# Altium PCB SPG_300.PcbDoc (part 1 of 7) (continued)
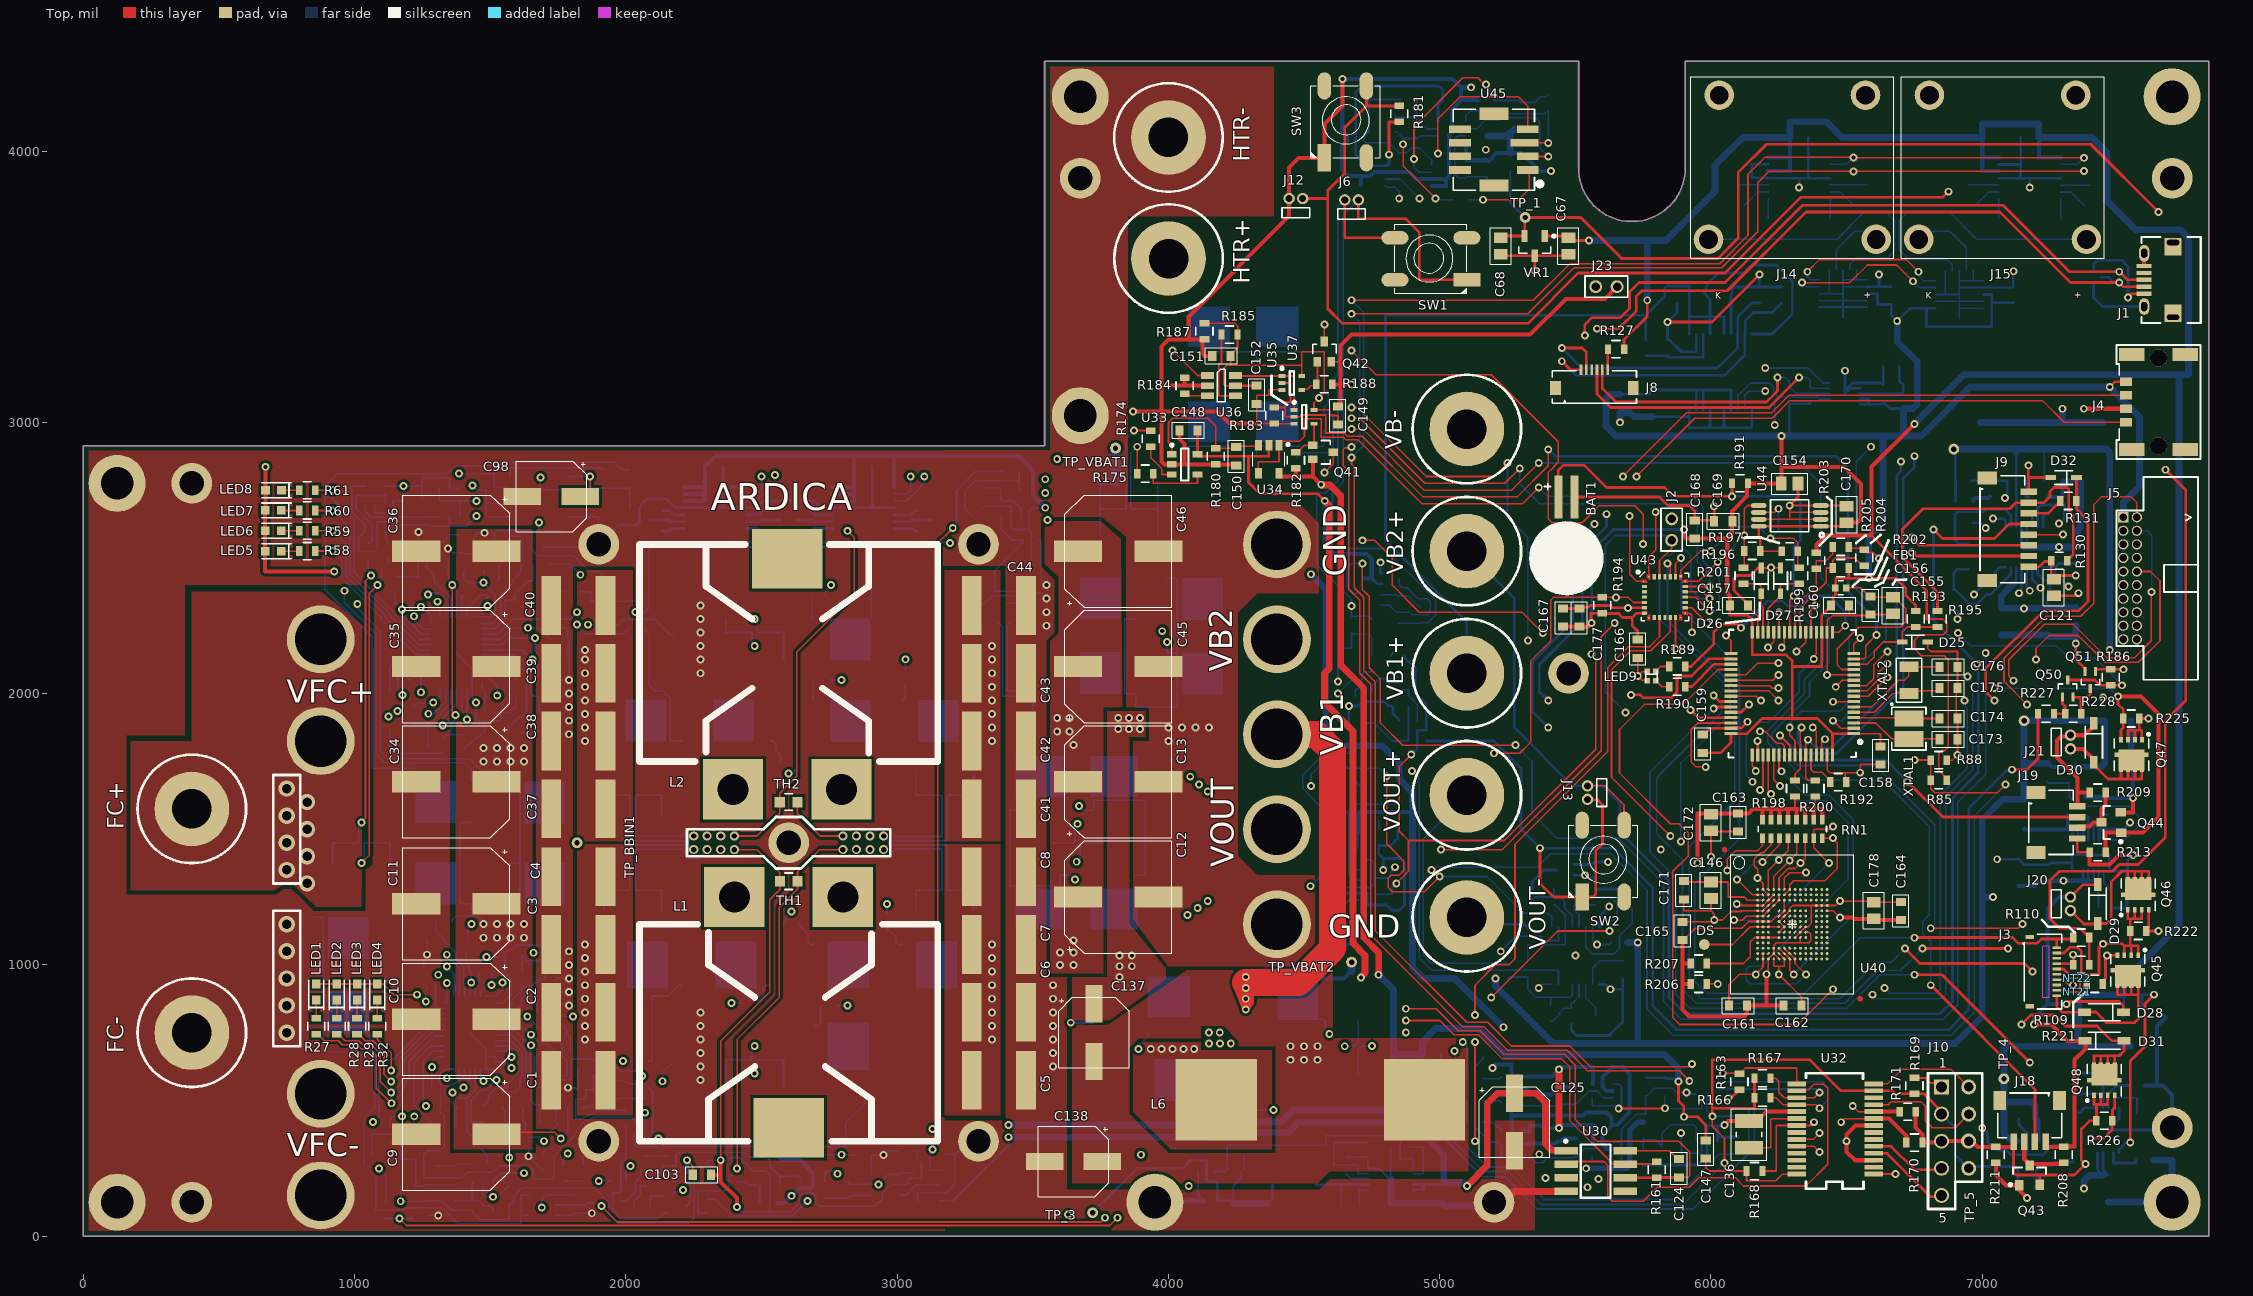
[diagram p0: Top view]
## Components (designator, comment, footprint, x,y, rotation, side; value= is the part's Value field where it differs from the comment) (continued)
CLK "Test pad" TP10R$1#1 1532.65,2067.17 r90 bottom
D1 "Diode-SMB" DO214AD-SMB 2099.96,755 r0 bottom value=SS34
D2 "Diode-SMB" DO214AD-SMB 2174.96,550 r270 bottom value=SS34
D3 "Diode-SMB" DO214AD-SMB 3149.96,700 r270 bottom value=SS34
D4 "Diode-SMB" DO214AD-SMB 2799.92,500 r180 bottom value=SS34
D5 "Diode" SOD-123N 1290,320.55 r270 bottom value=SD106
D6 "Diode" SOD-123N 1372.46,320 r270 bottom value=SD106
D7 "Diode-SMB" DO214AD-SMB 2899.92,2400 r180 bottom value=SS34
D8 "Diode-SMB" DO214AD-SMB 2099.96,2100 r0 bottom value=SS34
D9 "Diode-SMB" DO214AD-SMB 2174.96,2300.39 r90 bottom value=SS34
D10 "Diode-SMB" DO214AD-SMB 3174.96,2150 r90 bottom value=SS34
D11 "Diode" SOD-123N 1129.13,1940 r270 bottom value=SD106
D12 "Diode" SOD-123N 1204.96,1810 r180 bottom value=SD106
D13 "Diode" SOD-323 2070,460 r270 bottom value=BAT54WS
D14 "Diode Dual CC" SOT-323 2260,110.65 r180 bottom value=BAT54C
D15 "Diode Dual CC" SOT-323 1982,162.54 r270 bottom value=BAT54C
D16 "Diode" DO214AB-SMC 4099.96,1675 r90 bottom value=B540C
D17 "Diode" SOD-523L 4885,1985 r270 bottom value=BAT54
D18 "Diode" SOD-123-H1.45L 2014.96,2751.97 r90 bottom value=SD106
D19 "Zener" SOD-323 4675,2120 r90 bottom value=Vz=15V
D20 "Diode Dual CC" SOT-323 4845,2100 r270 bottom value=BAT54C
D21 "Zener" SOD-323 4650,1075 r180 bottom value=Vz=15V
D22 "Diode" DO214AB-SMC 3739.96,665 r270 bottom value=B540C
D23 "Diode" DO214AB-SMC 3464.96,665 r90 bottom value=B540C
D24 "Diode" DO214AC-SMA 4205.08,3775 r90 bottom value=RB168L-40TE25
D25 "Zener" SOD-323 6751.69,2190 r0 top value=uClamp3301D
D26 "Zener" SOD-323 6185,2415.59 r90 top value=uClamp3301D
D27 "Zener" SOD-323 6256.3,2415.59 r90 top value=uClamp3301D
D28 "Diode" SOD-123-H1.45L 7450,825 r180 top value=MBR130T3G
D29 "Diode" SOD-123-H1.45L 7425,1225 r270 top value=MBR130T3G
D30 "Diode" SOD-123-H1.45L 7411.61,1820 r270 top value=MBR130T3G
D31 "Diode" SOD-123-H1.45L 7450,720.02 r0 top value=MBR130SCT
D32 "Zener" SOD-323 7300,2796.26 r180 top value=Vz=3.3V
DS "Test pad" TP10R$1#1 5975,1075 r0 top
FB1 "Ferrite" "FB 0402 (1005 Metric)_L" 6478.34,2390 r0 top value=BK1005HS102-T
FC+ "CONN 1x1Pos" Amphenol-10-737584-153-A 400,1575 r0 top value=10-737584-153
FC- "CONN 1x1Pos" Amphenol-10-737584-153-A 400,750 r0 top value=10-737584-153
HTR+ "CONN 1x1Pos" Amphenol-10-737584-153-A 4000.47,3603.75 r0 top value=10-737584-153
HTR- "CONN 1x1Pos" Amphenol-10-737584-153-A 4000,4050 r0 top value=10-737584-153
I1 "INDUCTOR" IND-MDWK4040 7154.11,1555 r90 bottom value=4.7UH
J1 "CONN uUSB Type AB Recpt RA SMB" "CONN USB micro Type AB RA SMD W/hold down  FCI 10118194" 7650,3525 r90 top
J2 "Jumper" "CONN HDR 2Pos 2mm TH" 5855,2565 r270 top
J3 "CONN  10x1 Pos" "CONN FPC 10 Pos 0.5mm T+B RA SMD" 7225,975 r270 top value=XF2M-1015-1A
J4 "CONN 4x1 Pos" "CONN 4POS RT SMT ERNI-214012" 7650,3075 r90 top value="ERNI 214012"
J5 "10X2 Pos" "CONN HDR 20 Pos Recpt 1.27mm RT TH" 7545,2425 r90 top value=3221-20-0200-00
J6 "CONN 2x1 Pos" "Conn Hdr 2Pos 1.27mm Right Angle Thru Hole" 4675,3820 r180 top
J8 "CONN 6x1Pos" "CONN FPC 6Pos 0.5mm Bottom SMD" 5570,3160 r0 top value=SM06B-SRSS-TB
J9 "CONN 8x1 Pos" "CONN Rect 8Pos 1.0mm Side Entry SMT" 7095,2605.47 r270 top value=SM08B-SRSS
J10 "CONN 5X1" "CONN Hdr 5Pos 2.54mm" 6850,400 r90 top
J12 "CONN 2x1 Pos" "Conn Hdr 2Pos 1.27mm Right Angle Thru Hole" 4470,3824.8 r180 top
J13 "CONN 2x1 Pos" "Conn Hdr 2Pos 1.27mm Right Angle Thru Hole" 5544.84,1635 r270 top
J14 "CONN 2x1 Pos" "CONN Omega SMP-K" 6300,3940 r0 top value=SMP-K
J15 "CONN 2x1 Pos" "CONN Omega SMP-K" 7075,3940 r0 top value=SMP-K
J18 "CONN 4x1 Pos" "CONN Rect 4Pos 1.0mm Side Entry SMT" 7174.49,424.21 r180 top
J19 "CONN 4x1 Pos" "CONN Rect 4Pos 1.0mm Side Entry SMT" 7274.21,1525 r270 top
J20 "CONN 2x1 Pos" "Conn Hdr 2Pos 1.27mm Right Angle Thru Hole" 7325,1225 r90 top
J21 "CONN 2x1 Pos" "Conn Hdr 2Pos 1.27mm Right Angle Thru Hole" 7325,1821.51 r90 top
J23 "Jumper" "CONN HDR 2Pos 2mm TH" 5575,3500 r180 top
L1 "IND-SER29H" SER29XX-H 2600,750 r180 top value=15uH
L2 "IND-SER29H" SER29XX-H 2595,2146.62 r0 top value=15uH
L3 "INF-MSS6132" IND-MSS6132-B 4465,188.39 r90 bottom value=22uH
L4 "INF-MSS6132" IND-MSS6132-B 7351.79,680 r0 bottom value=22uH
L5 "IND-XEL4030" IND-XEL4030 6947.6,2505 r0 bottom value=6.8UH
L6 "Wurth 850x850" WURTH-875X875 4560.04,502.5 r0 top value="47uH, 5A"
LED1 "LED Single" LED0603 859.01,900 r0 top
LED2 "LED Single" LED0603 934.01,900 r0 top
LED3 "LED Single" LED0603 1009.01,900 r0 top
LED4 "LED Single" LED0603 1084.01,900 r0 top
LED5 "LED Single" LED0603 699.96,2525 r90 top
LED6 "LED Single" LED0603 699.96,2600 r90 top
LED7 "LED Single" LED0603 699.96,2675 r90 top
LED8 "LED Single" LED0603 701.1,2750 r90 top
LED9 "LED_Dual" SML-P24 5780.47,2065.16 r270 top value=SML-P24MUWT86
NT1 ".2032mm" NET_TIE_5mil 3164.96,1350 r270 bottom net-tie
NT2 ".2032mm" NET_TIE_5mil 3184.96,1350 r270 bottom net-tie
NT3 ".2032mm" NET_TIE_5mil 2484.96,625 r270 bottom net-tie
NT4 ".2032mm" NET_TIE_5mil 2014.96,1310 r270 bottom net-tie
NT5 ".2032mm" NET_TIE_5mil 2034.96,1310 r270 bottom net-tie
NT6 ".2032mm" NET_TIE_5mil 2464.96,665 r270 bottom net-tie
NT7 ".2032mm" NET_TIE_5mil 3164.96,1544.98 r90 bottom net-tie
NT8 ".2032mm" NET_TIE_5mil 3184.96,1545 r90 bottom net-tie
NT9 ".2032mm" NET_TIE_5mil 2014.96,1585 r90 bottom net-tie
NT10 ".2032mm" NET_TIE_5mil 2034.96,1585 r90 bottom net-tie
NT11 ".2032mm" NET_TIE_5mil 2484.96,2245 r270 bottom net-tie
NT12 ".2032mm" NET_TIE_5mil 2464.96,2205 r90 bottom net-tie
NT13 ".2032mm" NET_TIE_5mil 1014.96,1480 r270 bottom net-tie
NT14 ".2032mm" NET_TIE_5mil 1034.96,1415 r90 bottom net-tie
NT15 ".2032mm" NET_TIE_5mil 3479.83,1990 r0 bottom net-tie
NT16 ".2032mm" NET_TIE_5mil 3479.96,2009.88 r0 bottom net-tie
NT17 ".2032mm" NET_TIE_5mil 4700,650 r90 bottom net-tie
NT18 ".2032mm" NET_TIE_5mil 4700,750.47 r270 bottom net-tie
NT19 ".2032mm" NET_TIE_5mil 3803.78,2681.1 r180 bottom net-tie
NT20 ".2032mm" NET_TIE_5mil 3904.96,2681.1 r0 bottom net-tie
NT21 ".2032mm" NET_TIE_5mil 7350,900 r180 top net-tie
NT22 ".2032mm" NET_TIE_5mil 7350.47,950 r180 top net-tie
P0A "Test pad" TP10R$1#1 6210.83,3750 r270 bottom
P0B "Test pad" TP10R$1#1 6100,3876.06 r270 bottom
P0W "Test pad" TP10R$1#1 6122.83,3800 r270 bottom
P1A "Test pad" TP10R$1#1 6439.17,3750 r270 bottom
P1B "Test pad" TP10R$1#1 6575,3876.06 r270 bottom
P1W "Test pad" TP10R$1#1 6525,3800 r270 bottom
P2A "Test pad" TP10R$1#1 7060.83,3750 r270 bottom
P2B "Test pad" TP10R$1#1 6950,3876.06 r270 bottom
P2W "Test pad" TP10R$1#1 6975,3800 r270 bottom
P3A "Test pad" TP10R$1#1 7289.17,3750 r270 bottom
P3B "Test pad" TP10R$1#1 7400,3874.41 r270 bottom
P3W "Test pad" TP10R$1#1 7375,3800 r270 bottom
P4A "Test pad" TP10R$1#1 2135.32,2599.29 r90 bottom
P4B "Test pad" TP10R$1#2 2135.27,2675 r90 bottom
P4W "Test pad" TP10R$1#1 2089.53,2640 r90 bottom
P5A "Test pad" TP10R$1#1 2525,2600 r90 bottom
P5B "Test pad" TP10R$1#1 2525,2675 r90 bottom
P5W "Test pad" TP10R$1#1 2570.47,2640 r90 bottom
P6A "Test pad" TP10R$1#1 2675,2599.29 r270 bottom
P6B "Test pad" TP10R$1#1 2675,2675 r270 bottom
P6W "Test pad" TP10R$1#1 2630,2640 r270 bottom
P7A "Test pad" TP10R$1#1 3075,2599.29 r270 bottom
P7B "Test pad" TP10R$1#1 3075,2675 r270 bottom
P7W "Test pad" TP10R$1#1 3125,2640 r270 bottom
Q1 "8 Lead N-Ch Mosfet" Power56_L#1 2799.92,699.84 r0 bottom value=5H400N
Q2 "8 Lead N-Ch Mosfet" Power56_L#1 2099.96,1000 r180 bottom value=5H400N
Q3 "8 Lead N-Ch Mosfet" Power56_L#1 2424.96,1000 r180 bottom value=5H400N
Q4 "8 Lead N-Ch Mosfet" Power56_L#1 2799.92,1000 r0 bottom value=5H400N
Q5 "8 Lead N-Ch Mosfet" Power56_L#1 3124.96,1000 r0 bottom value=5H400N
Q6 "3 Lead N-Ch Mosfet" SOT-523 1610,345 r180 bottom value=2N7002T
Q7 "8 Lead N-Ch Mosfet" Power56_L#2 2799.96,2200 r0 bottom value=5H400N
Q8 "8 Lead N-Ch Mosfet" Power56_L#2 2099.96,1900 r180 bottom value=5H400N
Q9 "8 Lead N-Ch Mosfet" Power56_L#2 2424.96,1900 r180 bottom value=5H400N
Q10 "8 Lead N-Ch Mosfet" Power56_L#2 2799.96,1900 r0 bottom value=5H400N
Q11 "8 Lead N-Ch Mosfet" Power56_L#2 3124.96,1900 r0 bottom value=5H400N
Q12 "3 Lead N-Ch Mosfet" SOT-323 1656.54,2569.76 r180 bottom value=2N7002T
Q13 "PNP" SOT-523 2155,116.54 r270 bottom value=2N3906
Q14 "NPN" SOT-523 2075,215 r270 bottom value=2N3904
Q15 "NPN" SOT-523 2154.96,260 r90 bottom value=2N3904
Q16 "8 Lead P-Ch Mosfet" Power56_L#1 3799.96,1675 r90 bottom value=FDWS9509
Q17 "8 Lead P-Ch Mosfet" Power56_L#1 3524.96,1675 r90 bottom value=FDWS9509
Q18 "8 Lead P-Ch Mosfet" Power56_L#1 3799.96,1225 r270 bottom value=FDWS9509
Q19 "8 Lead P-Ch Mosfet" Power56_L#1 3524.96,1225 r270 bottom value=FDWS9509
Q20 "3 Lead N-Ch Mosfet" SOT-523 5462.97,1350 r180 bottom value=2N7002T
Q21 "8 Lead N-Ch Mosfet" Power56_L#2 1674.96,1600 r0 bottom value=5C404N
Q22 "8 Lead N-Ch Mosfet" Power56_L#2 1324.96,1600 r180 bottom value=5C404N
Q23 "8 Lead N-Ch Mosfet" Power56_L#2 1324.96,1300 r180 bottom value=5C404N
Q24 "8 Lead N-Ch Mosfet" Power56_L#2 1674.96,1300 r0 bottom value=5C404N
Q25 "8 Lead N-Ch Mosfet" Power56_L#2 949.96,825 r0 bottom value=STL90N6F7
Q26 "8 Lead N-Ch Mosfet" Power56_L#2 949.96,1100 r0 bottom value=STL90N6F7
Q27 "8 Lead P-Ch Mosfet" Power56_L#2 3774.96,2350 r180 bottom value=FDWS9509
Q28 "8 Lead P-Ch Mosfet" Power56_L#2 4099.96,2350 r0 bottom value=FDWS9509
Q29 "8 Lead P-Ch Mosfet" Power56_L#2 3774.96,2075 r180 bottom value=FDWS9509
Q30 "8 Lead P-Ch Mosfet" Power56_L#2 4099.96,2075 r0 bottom value=FDWS9509
Q31 "3 Lead N-Ch Mosfet" SOT-523 4720,1990 r180 bottom value=2N7002T
Q32 "3 Lead N-Ch Mosfet" SOT-523 4750,2345 r180 bottom value=2N7002T
Q33 "8 Lead P-Ch Mosfet" Power56_L#2 4450,875 r0 bottom value=FDWS9509
Q34 "3 Lead N-Ch Mosfet" SOT-523 4733.08,1240 r180 bottom value=2N7002T
Q35 "8 Lead N-Ch Mosfet" Power56_L#2 3999.96,855.32 r90 bottom value=5H400N
Q36 "8 Lead N-Ch Mosfet" Power56_L#2 4049.96,575 r180 bottom value=5H400N
Q37 "8 Lead P-Ch Mosfet" Power56_L#2 4148.49,2975 r90 bottom value=FDWS9509L
Q38 "8 Lead P-Ch Mosfet" Power56_L#2 4148.49,3325 r90 bottom value=FDWS9509L
Q39 "8 Lead P-Ch Mosfet" Power56_L#2 4399.96,2975 r90 bottom value=FDWS9509L
Q40 "8 Lead P-Ch Mosfet" Power56_L#2 4399.96,3325 r90 bottom value=FDWS9509L
Q41 "3 Lead N-Ch Mosfet" SOT-323 4570,2889.53 r0 top value=DMN5L06WK
Q42 "3 Lead N-Ch Mosfet" SOT-323 4575,3260.63 r90 top value=DMN5L06WK
Q43 "IRLML2502" SOT23-3 7174.49,225 r90 top
Q44 "IRLML2502" SOT23-3 7475,1525 r180 top
Q45 "8 Lead N-Ch Mosfet" DFN3x3-8EP_N 7536.61,980 r270 top value=FDMC7660
Q46 "8 Lead N-Ch Mosfet" DFN3x3-8EP_N 7575,1258.27 r90 top value=FDMC7660
Q47 "8 Lead N-Ch Mosfet" DFN3x3-8EP_N 7550,1775 r270 top value=FDMC7660
Q48 "8 Lead N-Ch Mosfet" DFN3x3-8EP_N 7450,575 r90 top value=FDMC7660
Q49 "3 Lead N-Ch Mosfet" SOT-523 4819.41,2425 r0 bottom value=2N7002T
Q50 "3 Lead N-Ch Mosfet" SOT-523 7315,2018.5 r90 top value=2N7002T
Q51 "3 Lead N-Ch Mosfet" SOT-523 7398.21,2050 r270 top value=2N7002T
R1 "RES SMD 2512" "SMD 2512 (6332 Metric)" 2024.96,1200 r0 bottom value=.006
R2 "RES SMD 2512" "SMD 2512 (6332 Metric)" 3174.96,1200 r0 bottom value=.008
R3 "RES SMD 2512" "SMD 2512 (6332 Metric)" 2024.96,1345 r0 bottom value=.006
R4 "RES SMD 0603" "SMD 0603 (1608 Metric)" 2749.96,850.16 r180 bottom value=2.2
R5 "RES SMD 0603" "SMD 0603 (1608 Metric)" 2609.96,1150.77 r0 bottom value=2.2
R6 "RES SMD 2512" "SMD 2512 (6332 Metric)" 3175,1343 r0 bottom value=.008
R7 "RES SMD 0603" "SMD 0603 (1608 Metric)" 2459.96,860 r0 bottom value=2.2
R8 "RES SMD 0603" "SMD 0603 (1608 Metric)" 2962.46,1160.08 r270 bottom value=2.2
R9 "RES SMD 2512" "SMD 2512 (6332 Metric)" 2474.96,750 r0 bottom value=.007
R10 "RES SMD 2512" "SMD 2512 (6332 Metric)" 2474.96,550 r0 bottom value=.007
R11 "RES SMD 0603" "SMD 0603 (1608 Metric)" 2054.96,645 r0 bottom value=2.2
R12 "RES SMD 0603" "SMD 0603 (1608 Metric)" 1704.96,824.02 r180 bottom value=10
R13 "RES SMD 0603" "SMD 0603 (1608 Metric)" 1899.96,2375.22 r0 bottom value="90.9K, 0.1%"
R14 "RES SMD 0603" "SMD 0603 (1608 Metric)" 1719.72,1020 r90 bottom value=10
R15 "RES SMD 0603" "SMD 0603 (1608 Metric)" 1800,2374.89 r0 bottom value="10K, 0.1%"
R16 "RES SMD 0603" "SMD 0603 (1608 Metric)" 1760,1095.91 r0 bottom value=8.66K
R17 "RES SMD 0603" "SMD 0603 (1608 Metric)" 1918.54,643.5 r0 bottom value="267K, 0.1%"
R18 "RES SMD 0603" "SMD 0603 (1608 Metric)" 1457.46,265 r180 bottom value=4.7
R19 "RES SMD 0603" "SMD 0603 (1608 Metric)" 1330.47,1160 r0 bottom value=2.2
R20 "RES SMD 0603" "SMD 0603 (1608 Metric)" 1694,646 r270 bottom value=4.99K
R21 "RES SMD 0603" "SMD 0603 (1608 Metric)" 1584.96,977 r180 bottom value=1K
R22 "RES SMD 0603" "SMD 0603 (1608 Metric)" 1484.96,975 r0 bottom value=100K
R23 "RES SMD 0603" "SMD 0603 (1608 Metric)" 1697.8,272.99 r270 bottom value=10K
R24 "RES SMD 0603" "SMD 0603 (1608 Metric)" 1850.13,540 r0 bottom value="10K, 0.1%"
R25 "RES SMD 0603" "SMD 0603 (1608 Metric)" 1764.96,683 r0 bottom value=3.48K
R26 "RES SMD 0603" "SMD 0603 (1608 Metric)" 1770,233 r90 bottom value=365K
R27 "RES SMD 0603" "SMD 0603 (1608 Metric)" 859.01,774.08 r270 top value=1K
R28 "RES SMD 0603" "SMD 0603 (1608 Metric)" 934.01,774.08 r270 top value=1K
R29 "RES SMD 0603" "SMD 0603 (1608 Metric)" 1009.01,774.08 r270 top value=1K
R30 "RES SMD 0603" "SMD 0603 (1608 Metric)" 1546,493.5 r90 bottom value=14.3K
R31 "RES SMD 0603" "SMD 0603 (1608 Metric)" 1840,233 r270 bottom value=0
R32 "RES SMD 0603" "SMD 0603 (1608 Metric)" 1084.01,774.08 r270 top value=1K
R33 "RES SMD 0603" "SMD 0603 (1608 Metric)" 1209.01,375.75 r90 bottom value=4.99K
R34 "RES SMD 0603" "SMD 0603 (1608 Metric)" 1035,375 r180 bottom value=15K
R35 "RES SMD 0603" "SMD 0603 (1608 Metric)" 1714.27,485 r180 bottom value=20K
R36 "RES SMD 0603" "SMD 0603 (1608 Metric)" 1370,160 r90 bottom value=2K
R37 "RES SMD 0603" "SMD 0603 (1608 Metric)" 1131.26,375.75 r270 bottom value=4.99K
R38 "RES SMD 0603" "SMD 0603 (1608 Metric)" 1260,160 r90 bottom value=4.99K
R39 "RES SMD 2512" "SMD 2512 (6332 Metric)" 2024.83,1555 r0 bottom value=.006
R40 "RES SMD 2512" "SMD 2512 (6332 Metric)" 3174.96,1556 r0 bottom value=.008
R41 "RES SMD 2512" "SMD 2512 (6332 Metric)" 3174.96,1705 r0 bottom value=.008
R42 "RES SMD 0603" "SMD 0603 (1608 Metric)" 2715,2350 r180 bottom value=2.2
R43 "RES SMD 0603" "SMD 0603 (1608 Metric)" 2725,2050.04 r180 bottom value=2.2
R44 "RES SMD 0603" "SMD 0603 (1608 Metric)" 3030.83,2059.6 r270 bottom value=2.2
R45 "RES SMD 2512" "SMD 2512 (6332 Metric)" 2024.96,1700 r0 bottom value=.006
R46 "RES SMD 0603" "SMD 0603 (1608 Metric)" 2040,2240 r0 bottom value=2.2
R47 "RES SMD 0603" "SMD 0603 (1608 Metric)" 2600,1750 r180 bottom value=2.2
R48 "RES SMD 2512" "SMD 2512 (6332 Metric)" 2474.96,2125 r0 bottom value=.007
R49 "RES SMD 2512" "SMD 2512 (6332 Metric)" 2474.96,2325 r0 bottom value=.007
R50 "RES SMD 0603" "SMD 0603 (1608 Metric)" 1705.83,2275 r180 bottom value=10
R51 "RES SMD 0603" "SMD 0603 (1608 Metric)" 1688.22,2477.13 r180 bottom value=10
R52 "RES SMD 0603" "SMD 0603 (1608 Metric)" 1544.92,2569.76 r180 bottom value=8.66K
R53 "RES SMD 0603" "SMD 0603 (1608 Metric)" 1334.31,1815 r270 bottom value=4.7
R54 "RES SMD 0603" "SMD 0603 (1608 Metric)" 1415,2585 r0 bottom value=2.2
R55 "RES SMD 0603" "SMD 0603 (1608 Metric)" 1555.43,2415 r0 bottom value=1K
R56 "RES SMD 0603" "SMD 0603 (1608 Metric)" 1431.81,2365 r0 bottom value=100K
R57 "RES SMD 0603" "SMD 0603 (1608 Metric)" 1764.96,2569.76 r90 bottom value=10K
R58 "RES SMD 0603" "SMD 0603 (1608 Metric)" 825,2525.47 r0 top value=1K
R59 "RES SMD 0603" "SMD 0603 (1608 Metric)" 824.96,2600 r0 top value=1K
R60 "RES SMD 0603" "SMD 0603 (1608 Metric)" 824.96,2675 r0 top value=1K
R61 "RES SMD 0603" "SMD 0603 (1608 Metric)" 825,2750 r0 top value=1K
R62 "RES SMD 0603" "SMD 0603 (1608 Metric)" 1613.26,1885 r90 bottom value=14.3K
R63 "RES SMD 0603" "SMD 0603 (1608 Metric)" 1510,1930 r180 bottom value=365K
R64 "RES SMD 0603" "SMD 0603 (1608 Metric)" 1710,1925 r180 bottom value=20K
R65 "RES SMD 0603" "SMD 0603 (1608 Metric)" 1475.58,2485 r90 bottom value=15K
R66 "RES SMD 0603" "SMD 0603 (1608 Metric)" 7245,1340 r270 bottom value=499K
R67 "RES SMD 0603" "SMD 0603 (1608 Metric)" 7320,1700 r90 bottom value=1M
R68 "RES SMD 0603" "SMD 0603 (1608 Metric)" 4239.21,238.31 r180 bottom value=1M
R69 "RES SMD 0603" "SMD 0603 (1608 Metric)" 7350,1620 r180 bottom value=412K
R70 "RES SMD 0603" "SMD 0603 (1608 Metric)" 7455,1210 r180 bottom value=60.4K
R71 "RES SMD 0603" "SMD 0603 (1608 Metric)" 4140,238.31 r0 bottom value=115K
R72 "RES SMD 0603" "SMD 0603 (1608 Metric)" 4735,315 r90 bottom value=100K
R73 "RES SMD 0603" "SMD 0603 (1608 Metric)" 7545.51,810.12 r0 bottom value=1M
R74 "RES SMD 0603" "SMD 0603 (1608 Metric)" 7645,810.12 r180 bottom value=182K
R75 "RES SMD 0603" "SMD 0603 (1608 Metric)" 7570.31,420.57 r90 bottom value=100K
R76 "RES SMD 0603" "SMD 0603 (1608 Metric)" 7165,180.35 r180 bottom value=10K
R77 "RES SMD 0603" "SMD 0603 (1608 Metric)" 7335,305 r270 bottom value=19.1K
R78 "RES SMD 0603" "SMD 0603 (1608 Metric)" 7167.6,2695 r270 bottom value=40.2K
R79 "RES SMD 0603" "SMD 0603 (1608 Metric)" 6932.6,2785 r180 bottom value=1M
R80 "RES SMD 0603" "SMD 0603 (1608 Metric)" 7027.6,2755 r270 bottom value=10K
R81 "RES SMD 0603" "SMD 0603 (1608 Metric)" 7242.6,2695 r270 bottom value=35.7K
R82 "RES SMD 0603" "SMD 0603 (1608 Metric)" 7332.6,2684.5 r180 bottom value=90.8K
R83 "RES SMD 0603" "SMD 0603 (1608 Metric)" 2065,330 r270 bottom value=1K
R84 "RES SMD 0603" "SMD 0603 (1608 Metric)" 2000,435 r90 bottom value=4.99K
R85 "RES SMD 0603" "SMD 0603 (1608 Metric)" 6840,1680.79 r180 top value=10K
R86 "RES SMD 0603" "SMD 0603 (1608 Metric)" 1815,474 r180 bottom value=11.5K
R87 "RES SMD 0603" "SMD 0603 (1608 Metric)" 2060,100.16 r180 bottom value=4.99K
R88 "RES SMD 0603" "SMD 0603 (1608 Metric)" 6839.88,1754.92 r0 top value=620
R89 "RES SMD 0603" "SMD 0603 (1608 Metric)" 2380,200 r180 bottom value=13.7K
R90 "RES SMD 0603" "SMD 0603 (1608 Metric)" 1988,539.68 r90 bottom value=1K
R91 "RES SMD 0603" "SMD 0603 (1608 Metric)" 2530.08,120 r180 bottom value=10K
R92 "RES SMD 0603" "SMD 0603 (1608 Metric)" 4600,1725 r90 bottom value="5K, 0.1%"
R93 "RES SMD 0603" "SMD 0603 (1608 Metric)" 4685.02,1725 r90 bottom value="5K, 0.1%"
R94 "RES SMD 2010" "SMD 2010 (5025 Metric)" 3664.96,1450 r180 bottom value=0.004
R95 "RES SMD 0603" "SMD 0603 (1608 Metric)" 5680,1170 r180 bottom value="33K, 0.1%"
R96 "RES SMD 0603" "SMD 0603 (1608 Metric)" 5497.4,1250 r270 bottom value="90.9K, 0.1%"
R97 "RES SMD 0603" "SMD 0603 (1608 Metric)" 5250,976.54 r90 bottom value=DNI
R98 "RES SMD 0603" "SMD 0603 (1608 Metric)" 5575,1250 r90 bottom value="10K, 0.1%"
R99 "RES SMD 0603" "SMD 0603 (1608 Metric)" 4775,1563.11 r90 bottom value="250K, 0.1%"
R100 "RES SMD 0603" "SMD 0603 (1608 Metric)" 5410,821.26 r90 bottom value=DNI
R101 "RES SMD 0603" "SMD 0603 (1608 Metric)" 4775,1470 r270 bottom value="61.9K, 0.1%"
R102 "RES SMD 0603" "SMD 0603 (1608 Metric)" 5690,1250 r90 bottom value="1K, 0.1%"
R103 "RES SMD 0603" "SMD 0603 (1608 Metric)" 5662.87,1082.5 r0 bottom value=10K
R104 "RES SMD 0603" "SMD 0603 (1608 Metric)" 5420,1250 r270 bottom value=100K
R105 "RES SMD 0603" "SMD 0603 (1608 Metric)" 5340,1250 r270 bottom value=40.2K
R106 "RES SMD 0603" "SMD 0603 (1608 Metric)" 5485,810 r270 bottom value=DNI
R107 "RES SMD 0603" "SMD 0603 (1608 Metric)" 5325,985 r270 bottom value=0
R108 "RES SMD 0603" "SMD 0603 (1608 Metric)" 5575,1350 r90 bottom value=10K
R109 "RES SMD 0603" "SMD 0603 (1608 Metric)" 7365,1000 r0 top value=30K
R110 "RES SMD 0603" "SMD 0603 (1608 Metric)" 7364.21,1100.79 r0 top value=30K
R111 "RES SMD 2512" "SMD 2512 (6332 Metric)" 1024.96,1525 r0 bottom value=.004
R112 "RES SMD 2512" "SMD 2512 (6332 Metric)" 1024.96,1375 r0 bottom value=.004
R113 "RES SMD 0603" "SMD 0603 (1608 Metric)" 1480.47,2781.5 r270 bottom value=2M
R114 "RES SMD 0603" "SMD 0603 (1608 Metric)" 1049.96,2525 r270 bottom value="5K, 0.1%"
R115 "RES SMD 0603" "SMD 0603 (1608 Metric)" 1124.72,2525.47 r270 bottom value="5K, 0.1%"
R116 "RES SMD 0603" "SMD 0603 (1608 Metric)" 1180,2680 r270 bottom value="64.9K, 0.1%"
R117 "RES SMD 0603" "SMD 0603 (1608 Metric)" 1115,95 r90 bottom value="90.9K, 0.1%"
R118 "RES SMD 0603" "SMD 0603 (1608 Metric)" 1899.96,2680.5 r90 bottom value=10K
R119 "RES SMD 0603" "SMD 0603 (1608 Metric)" 1240.5,75 r180 bottom value="10K, 0.1%"
R120 "RES SMD 0603" "SMD 0603 (1608 Metric)" 4675,2255 r90 bottom value=100K
R121 "RES SMD 0603" "SMD 0603 (1608 Metric)" 4845,2230 r90 bottom value=499K
R122 "RES SMD 0603" "SMD 0603 (1608 Metric)" 4750,2110 r90 bottom value=1K